# Altium PCB PCB_P1.5_150321.PcbDoc
Units mil, origin at the board's own origin, x right, y up, seen from the top; angles counter-clockwise.
Board outline 3081.38 x 1481.03 mil, 2 copper layers (Top Layer, Bottom Layer); 43 components, 38 nets, 197 pads, 12 vias.
Unrouted connection lines stored in the file: 1.
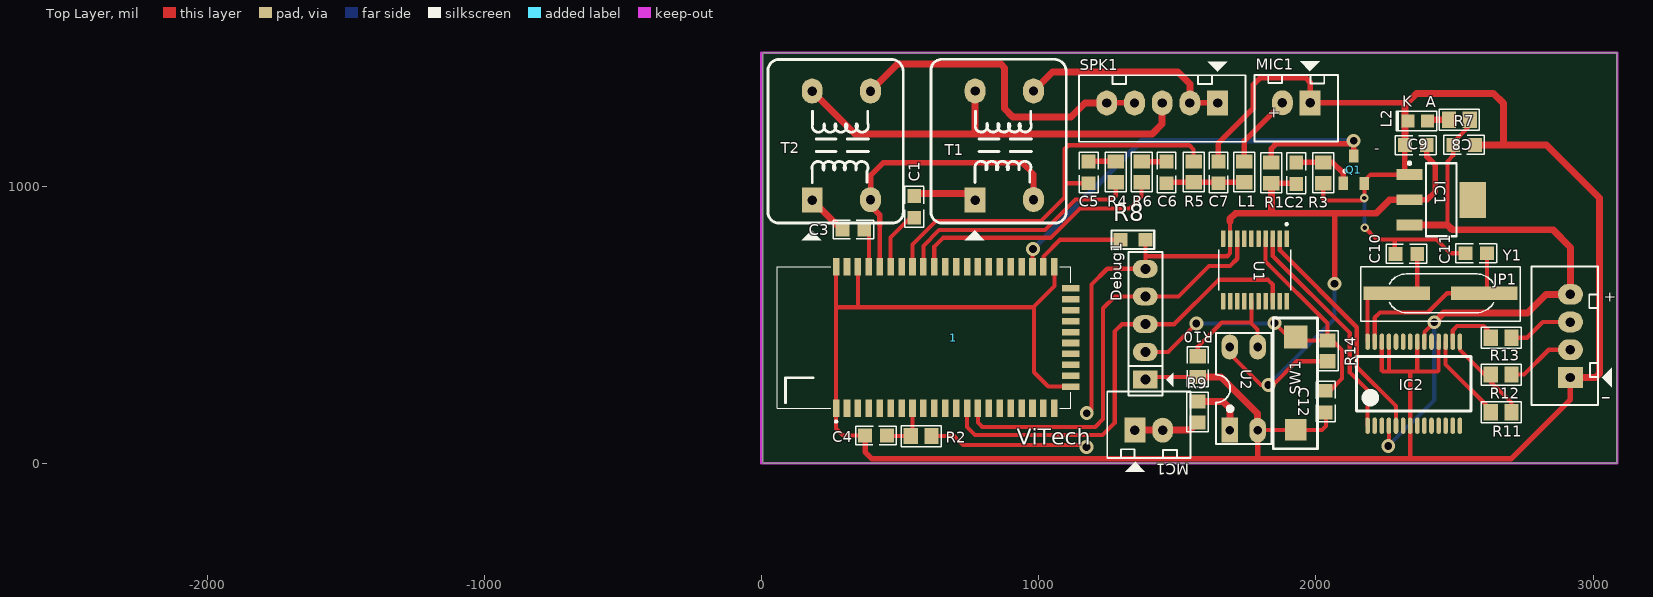
[diagram p0: Top Layer view]
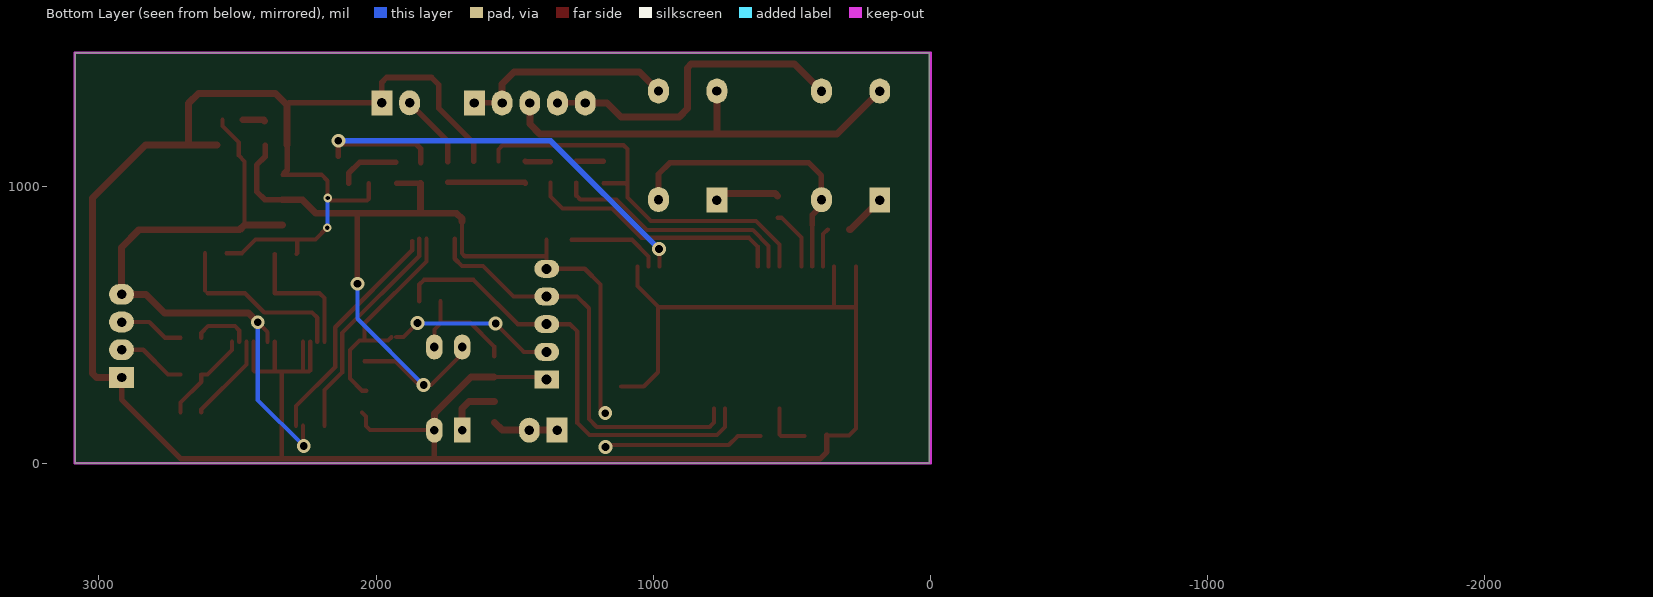
[diagram p1: Bottom Layer view, seen from below]
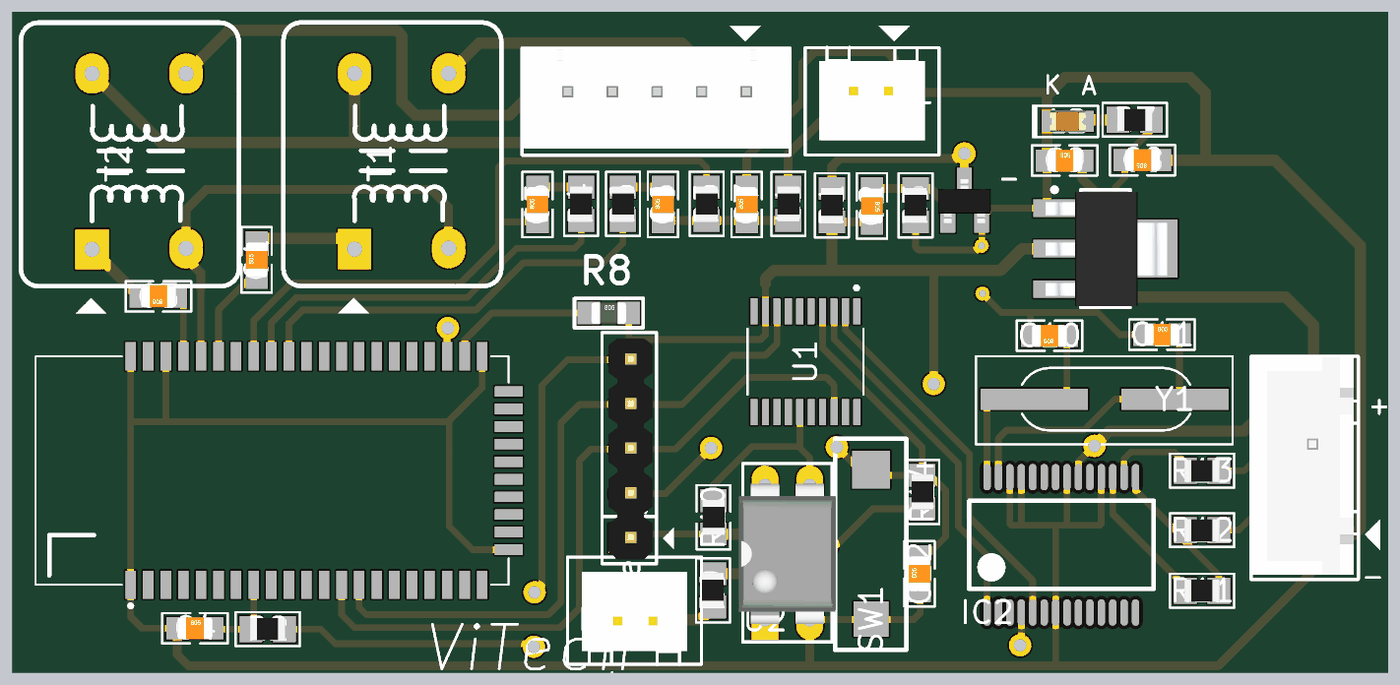
[diagram p2: 3D render of the assembled board from above, using the file's embedded part models]

## Layer stack, top to bottom
Top Solder: solder mask 0.4, Solder Resist, Dk 3.5
Top Layer: signal copper 1.4
Dielectric 1: dielectric 12.6, FR-4, Dk 4.8
Bottom Layer: signal copper 1.4
Bottom Solder: solder mask 0.4, Solder Resist, Dk 3.5

## Board outline
3.86,0.5 3085.24,0.5 3085.24,1481.53 3.86,1481.54

## Design rules (kind name [scope] priority, off if disabled: settings)
Clearance [All] p1: gap=1
PolygonConnect vias_connect [IsNamedPolygon('GND') vs Isvia] p1: connectstyle=Direct reliefconductorwidth=10 reliefentries=4 polygonreliefangle="90 Angle" airgapwidth=10
PolygonConnect Pad_connect [All] p2: connectstyle=Relief reliefconductorwidth=11 reliefentries=4 polygonreliefangle="90 Angle" airgapwidth=11
RoutingVias [InNet('GND_BT')] p1: holewidth=15.75 width=31.5 viastyle="Through Hole" minholewidth=15.75 minwidth=31.5 maxholewidth=15.75 maxwidth=31.5
SolderMaskExpansion [All] p1: expansion=4
Width [All] p1: maxlimit=25 minlimit=15 preferedwidth=20
30 further rules are at their usual default settings.

## Classes and differential pairs
net class Undefined: 3V3 CLK DAT GND_BT RX0 RX_PL

## Components (designator, comment, footprint, x,y, rotation, side; value= is the part's Value field where it differs from the comment)
1 "FSC-BT806" FSCBT806 601.61,443.82 r90 top
C1 "0.1µF" CAP_0805 551.1,925.55 r90 top
C2 "1uF" CAP_0805 1929.03,1046.48 r270 top
C3 "0.1µF" CAP_0805 331.14,843.74 r180 top
C4 "100nF" CAP_0805 412.95,100.32 r0 top
C5 "0.1µF" CAP_0805 1180.02,1049.75 r90 top
C6 "0.1µF" CAP_0805 1461.18,1049.75 r90 top
C7 "15pF" CAP_0805 1648.61,1049.75 r90 top
C8 "1uF" CAP_0805 2534.88,1148.94 r180 top
C9 "4.7uF" CAP_0805 2360.71,1148.07 r0 top
C10 "22pF" CAP_0805 2326.68,755.62 r180 top
C11 "22pF" CAP_0805 2578.73,758.04 r0 top
C12 "0.1uF" CAP_0805 2035.75,222.32 r90 top
Debug1 "JP5" JP5 1384.45,301.81 r90 top
IC1 "LM1117" SOT223-4N 2452.09,950.79 r0 top
IC2 "PL2303HX" PL2303 2186.81,135.59 r0 top
JP1 "" CON4 2918.36,309.61 r90 top
L1 "15nH" RES_0805 1741.75,1051.12 r90 top
L2 "" LED_0805 2367.68,1235.71 r0 top
MC1 "" CON2 1347.17,119.57 r0 top
MIC1 "JP2" CON2 1979.29,1300.71 r180 top
Q1 "SI2302" SOT23A 2136.14,1059.29 r0 top
R1 "10K" RES_0805 1839.32,1047.84 r90 top
R2 "10K" RES_0805 575.94,98.31 r180 top
R3 "10K" RES_0805 2026.75,1047.85 r270 top
R4 "1K" RES_0805 1277.73,1051.12 r270 top
R5 "2.2K" RES_0805 1558.89,1051.12 r90 top
R6 "1K" RES_0805 1371.45,1051.12 r270 top
R7 "1K" RES_0805 2517.55,1239.56 r0 top
R8 "100R" "RES_0805 - Dup" 1384.8,806.5 r0 top
R9 "100R" RES_0805 1572.99,185.08 r270 top
R10 "100R" RES_0805 1574.09,348.82 r90 top
R11 "1.5K" RES_0805 2668.39,184.29 r180 top
R12 "100R" RES_0805 2668.39,320.12 r0 top
R13 "100R" RES_0805 2668.39,453.07 r0 top
R14 "10K" RES_0805 2041.97,405.55 r90 top
SPK1 "JP5" CON5 1645.47,1300.08 r180 top
SW1 "" SW_342_SMD 1927.32,121.02 r270 top
T1 "T_Adio" T_Adito 827.56,1142.52 r90 top
T2 "T_Adio" T_Adito 239.57,1142.13 r90 top
U1 "N76E003AT20" SOP65P640X120-20N 1780.32,697.44 r270 top
U2 "PC817" DIP4/W0.3 1689.69,119.49 r0 top
Y1 "12MHz" XTAL_314_240X47_SMD 2607.63,613.39 r180 top

## Footprints (in the part's own frame and the unit in brackets; to place one, negate y for a bottom-side part, rotate by r counter-clockwise, add the part's x,y. Pads: shape width x height; smd on the part's side, far side on the other; paste and mask are expansions set on the pad)
CAP_0805 [mil] "Ceramic Capacitor"
  rect 50x50 smd mask+3: 1(-39.37,0) 2(39.37,0)
  silkscreen extent -73,-34 73,34, body extent -39,-25 39,25, height 31
CON2 [mil] "CON2"
  rect 75x90 hole 34: 1(0,0)
  oval 75x90 hole 34: 2(100,0)
  silkscreen extent -100,-150 200,140, body extent -68,-70 168,107, height 236
CON4 [mil] "B1205S"
  rect 75x90 hole 34: 1(0,0)
  oval 75x90 hole 34: 2(100,0) 3(200,0) 4(300,0)
  silkscreen extent -100,-150 400,140, body extent -90,-90 398,136, height 276
CON5 [mil] "CON5"
  rect 75x90 hole 34: 1(0,0)
  oval 75x90 hole 34: 2(100,0) 3(200,0) 4(300,0) 5(400,0)
  silkscreen extent -100,-150 500,140, body extent -101,-98 496,125, height 288
DIP4/W0.3 [mil] "4 PIN, W 300mil, Pin to pin 100mil"
  rect 60x90 hole 31: 1(0,0)
  oval 60x90 hole 31: 2(100,0) 3(100,300) 4(0,300)
  silkscreen extent -50,-50 150,350, body extent -59,-10 159,305, height 170
FSCBT806 [mm]
  rect 1.6x0.6 smd: 1(-6.25,8.45) 2(-6.25,7.45) 3(-6.25,6.45) 4(-6.25,5.45) 5(-6.25,4.45) 6(-6.25,3.45) 7(-6.25,2.45) 8(-6.25,1.45) 9(-6.25,0.45) 10(-6.25,-0.55) 11(-6.25,-1.55) 12(-6.25,-2.55) 13(-6.25,-3.55) 14(-6.25,-4.55) 15(-6.25,-5.55) 16(-6.25,-6.55) 17(-6.25,-7.55) 18(-6.25,-8.55) 19(-6.25,-9.55) 20(-6.25,-10.55) 21(-6.25,-11.55) 32(6.75,-11.55) 33(6.75,-10.55) 34(6.75,-9.55) 35(6.75,-8.55) 36(6.75,-7.55) 37(6.75,-6.55) 38(6.75,-5.55) 39(6.75,-4.55) 40(6.75,-3.55) 41(6.75,-2.55) 42(6.75,-1.55) 43(6.75,-0.55) 44(6.75,0.45) 45(6.75,1.45) 46(6.75,2.45) 47(6.75,3.45) 48(6.75,4.45) 49(6.75,5.45) 50(6.75,6.45) 51(6.75,7.45) 52(6.75,8.45)
  rect 0.6x1.6 smd: 22(-4.25,-13.05) 23(-3.25,-13.05) 24(-2.25,-13.05) 25(-1.25,-13.05) 26(-0.25,-13.05) 27(0.75,-13.05) 28(1.75,-13.05) 29(2.75,-13.05) 30(3.75,-13.05) 31(4.75,-13.05)
  silkscreen extent -7.55,-13.05 6.75,13.85, body extent -6.22,-13.08 6.73,13.84, height 0.25
JP5 [mil] "JP5"
  rect 65x90 hole 36: 1(0,0)
  oval 65x90 hole 36: 2(100,0) 3(200,0) 4(300,0) 5(400,0)
  silkscreen extent -57,-101 461,60, body extent -48,-53 448,45, height 323
LED_0805 [mm] "LED"
  rect 1.2x1.2 smd mask+0.076: A(0.889,0) K(-0.889,0)
  silkscreen extent -1.99,-0.89 1.73,0.89, body extent -1.01,-0.62 1.01,0.63, height 1.1
PL2303 [mil] "PL2303"
  oval 16.53x59.03 smd mask+7.9: 1(0,0) 2(25.6,0) 3(51.18,0) 4(76.78,0) 5(102.37,0) 6(127.97,0) 7(153.57,0) 8(179.15,0) 9(204.75,0) 10(230.35,0) 11(255.93,0) 12(281.53,0) 13(307.12,0) 14(332.7,0) 15(332.7,303.18) 16(307.12,303.18) 17(281.53,303.18) 18(255.93,303.18) 19(230.35,303.18) 20(204.75,303.18) 21(179.15,303.18) 22(153.57,303.18) 23(127.97,303.18) 24(102.37,303.18) 25(76.78,303.18) 26(51.18,303.18) 27(25.6,303.18) 28(0,303.18)
  silkscreen extent -40,53 373,250
RES_0805 [mm] "Resister"
  rect 1.3x1.5 smd mask+0.076: 1(0.95,0) 2(-0.95,0)
  silkscreen extent -1.83,-0.97 1.83,0.97, body extent -1,-0.63 1,0.62, height 0.5
"RES_0805 - Dup" [mil] "Resister"
  rect 50x50 smd: 1(0,0) 2(-90,0)
  silkscreen extent -122,-33 32,33, body extent -84,-25 -6,25, height 31
SOP65P640X120-20N [mm]
  rrect10% 1.48x0.41 smd: 1(-2.865,2.925) 2(-2.865,2.275) 3(-2.865,1.625) 4(-2.865,0.975) 5(-2.865,0.325) 6(-2.865,-0.325) 7(-2.865,-0.975) 8(-2.865,-1.625) 9(-2.865,-2.275) 10(-2.865,-2.925) 11(2.865,-2.925) 12(2.865,-2.275) 13(2.865,-1.625) 14(2.865,-0.975) 15(2.865,-0.325) 16(2.865,0.325) 17(2.865,0.975) 18(2.865,1.625) 19(2.865,2.275) 20(2.865,2.925)
  silkscreen extent -4.3,-3.3 1.87,3.3
SOT23A [mm] "SOT 23A"
  rect 0.85x1.2 smd: 1(-0.94,-1.245) 2(0.005,1.25) 3(0.985,-1.25)
  silkscreen extent -0.88,-0.25 -0.64,0, body extent -1.5,-1.3 1.5,1.2, height 1.06
SOT223-4N [mm] "SOT223, 4-Leads, Body 6.5x3.5mm, Pitch 2.3mm, Lead Span 7mm, IPC Medium Density"
  rect 2.4x1 smd: 1(-2.9,2.3) 2(-2.9,0) 3(-2.9,-2.3)
  rect 2.4x3.3 smd: 4(2.9,0)
  silkscreen extent -3.02,-3.35 1.4,3.47, body extent -3.39,-3.27 3.5,3.23, height 1.72
SW_342_SMD [mm] "CASE: SMD"
  rect 2x2 smd: 1(0,0)
  rect 2.15x2.15 smd: 2(-8.5,0)
  silkscreen extent -10.25,-2.06 1.75,2, body extent -7.17,-1.79 -1.17,1.71, height 2.4
T_Adito [mil]
  rect 90x75 hole 34: 1(-192.91,57.09)
  oval 90x75 hole 34: 2(-190.94,-153.54) 3(200.79,-153.54) 4(200.79,57.09)
  silkscreen extent -337,-272 315,217
XTAL_314_240X47_SMD [mm] "CASE: TH"
  rect 6.096x1.2 smd: 1(0,0) 2(8,0)
  silkscreen extent -3.29,-2.44 11.32,2.57, body extent -2.99,-2.27 10.9,2.41, height 3.05

## Part data
C1 C3 C5 C6 C7 C12: library part CAP_0.1uF-50V-5%-0805, "0.1µF ±5% 50V Ceramic Capacitor X7R 0805 (2012 Metric)"
C2 C8: library part CAP_1uF-50V-5%-0805, "1µF ±5% 50V Ceramic Capacitor X7R 0805 (2012 Metric)"
C4: library part CAP_1uF-50V-5%-0805, "100µF ±5% 50V Ceramic Capacitor X7R 0805 (2012 Metric)"
C9: library part CAP_1uF-50V-5%-0805, "4.7µF ±5% 50V Ceramic Capacitor X7R 0805 (2012 Metric)"
C10 C11: library part CAP_22pF-50V-5%-0805, "22pF ±5% 50V Ceramic Capacitor C0G, NP0 0805 (2012 Metric)"
IC1: "Available in 1.8V, 2.5V, 2.85V, 3.3V, 5V, and  Adjustable Versions"
IC2: "USB - RS232 Converter"
JP1: library part Con4, "Connector 4"
L1: library part RES_1K-0.125W-1%-0805, "Conductor 15nH"
L2: library part LED-RED_10mA-0805, "Red 621nm LED Indication - Discrete 2V 0805 (2012 Metric)"
MC1 MIC1: library part Con2, "Connector 2"
Q1: library part DV3
R1 R2 R3 R4 R6: library part RES_10K-0.125W-1%-0805_1, "10 kOhms ±1% 0.125W, 1/8W Chip Resistor 0805 (2012 Metric) Moisture Resistant Thick Film"
R5: library part RES_10K-0.125W-1%-0805_1, "2.2kOhms ±1% 0.125W, 1/8W Chip Resistor 0805 (2012 Metric) Moisture Resistant Thick Film"
R7: library part RES_10K-0.125W-1%-0805_1, "1 kOhms ±1% 0.125W, 1/8W Chip Resistor 0805 (2012 Metric) Moisture Resistant Thick Film"
R8: library part RES_100R, "Resistor 100R value Chip Resistor 0805 Moisture Resistant Thick Film"
R9 R10: library part RES_1K-0.125W-1%-0805, "1 kOhms ±1% 0.125W, 1/8W Chip Resistor 0805 (2012 Metric) Moisture Resistant Thick Film"
R11: library part RES_1.5K-0.125W-1%-0805, "1.5 kOhms ±1% 0.125W, 1/8W Chip Resistor 0805 (2012 Metric) Thick Film"
R12 R13: library part RES_0ohm-0.125W-1%-0805_1, "1000Ohms ±1% 0.125W, 1/8W Chip Resistor 0805 (2012 Metric) Moisture Resistant Thick Film"
R14: library part RES_10MOHM-0.125W-1%-0805, "10K ±1% 0.125W, 1/8W Chip Resistor 0805 (2012 Metric) Automotive AEC-Q200, High Voltage Thick Film"
SPK1: library part Con5, "Connector 5"
SW1: library part SW_KSR223GLFG-SMD, "Tactile Switch SPST-NO Top Actuated Surface Mount"
T1 T2: "Transformer Audio"
U1: "8051 N76 Microcontroller IC 8-Bit 16MHz 18KB _18K x 8_ FLASH 20-TSSOP"
U2: "Single Opto"
Y1: library part XTAL_8MHZ-LFXTAL030234, "Crystals 8MHz 22pF -20C 70C"

## Via types
v1: diameter 50, hole 28, Top Layer to Bottom Layer, 10 vias
v2: diameter 31.5, hole 15.75, Top Layer to Bottom Layer, 2 vias

## Nets (pads, with @x,y where several pads share a name; then routed paths per layer and width w, separated by ;. In a path a pad name is that pad's centre, name@x,y a point inside that pad or via, vN(x,y) a via of type N, cw(c..) or ccw(c..) an arc to the next point about the centre after c; other vN are vias at no path point)
3V3: C2.2 C9.2 Debug1.5 IC1.2 R1.2 R2.2 R8.1 R14.2 U1.9 U2.4 | length 4155.3
  Top Layer w15: R2.2 694.96,98.3 727.68,65.59 1171.97,65.59 v1(1171.97,58.94) ; v1@1183.58,190.91 v1(1173.46,180.79) 1173.46,178.03 1190.04,194.61 1190.04,644.65 1247.2,701.81 Debug1.5 ; Debug1.5@1384.8,702.17 1384.8,745.39 ; R8.1 1384.8,745.39 ; U2.4 1689.69,394.53 1801.69,282.52 v1(1828.5,282.52) 1845.24,282.52 1930.87,368.15 R14.2 ; 1690.75,872.68 U1.9 1690.75,757.64 1680.28,747.17 1386.57,747.17 1384.8,745.39
  Top Layer w20: R1.2 C2.2@1925.7,1010.44 ; v1(2067.4,647.56) 2067.4,898.39 2071.06,902.05 ; IC1.2 2401.77,950.79 2430.91,979.92 2430.91,1075.51 2400.08,1106.34 C9.2
  Top Layer w25: 1690.75,872.68 1690.75,882.91 1709.88,902.05 2071.06,902.05 2217.09,902.05 2265.83,950.79 IC1.2 ; 1839.32,910 R1.2
  Bottom Layer w15: v1(1828.5,282.52) 2067.4,521.42 v1(2067.4,647.56)
3V3_PL2303: IC2.17 R11.1 | length 321.9
  Top Layer w15: IC2.17 2468.34,356.26 2630.99,193.62 R11.1
BL_3V3: 1.33 R8.2 | length 339.7
  Top Layer w15: 1.33 1016.97,746.57 1076.89,806.5 R8.2
CLK: 1.13 Debug1.3 U1.18 | length 1674.7
  Top Layer w15: 1.13 741.38,130.59 770.35,101.61 1230.16,101.61 1274.09,145.55 1274.09,475.51 1300.39,501.81 Debug1.3 1488.86,501.81 1649.09,662.05 1826.81,662.05 1844.29,644.57 U1.18
DAT: 1.14 Debug1.4 U1.8 | length 1551
  Top Layer w15: 1.14 780.75,146.73 796.46,131.02 1204.02,131.02 1232.48,159.49 1232.48,559.49 1274.8,601.81 Debug1.4 1504.17,601.81 1614.29,711.93 1690.16,711.93 1716.34,738.11 U1.8
DC_CHECK: R10.1 U1.15 U2.3 | length 438.5
  Top Layer w15: R10.1 1574.09,421.26 1660.28,507.44 1767.52,507.44 ; U1.15 1767.52,504.65 1789.69,482.48 U2.3
GND_BT: 1.1 1.22 1.32 1.50 1.52 C4.1 C7.2 C8.1 C9.1 C10.2 C11.1 C12.1 Debug1.1 IC1.1 IC2.7 IC2.18 IC2.21 IC2.25 IC2.26 JP1.1 L2.K MIC1.1 Q1.3 R3.1 R10.2 SW1.1 U2.2 | length 10829.6
  Top Layer w15: 1.52 268.94,560.47 ; 1.50 347.68,562.76 ; C4.1 293.93,100.32 268.94,125.32 1.1 268.94,560.47 ; 982.36,562.76 982.36,328.46 1034.33,276.5 1.22 ; 1.32 1056.34,639.49 979.61,562.76 347.68,562.76 ; Debug1.1 1394.06,311.42 R10.2 ; U2.2 2022.24,119.49 2037.17,134.41 2037.17,169.38 C12.1@2050.74,182.96 ; R3.1 2026.76,954.31 2033.31,947.76 2165.55,947.76 v2(2174.94,957.15) Q1.3 2174.94,1019.55 2196.73,1041.34 IC1.1 IC1.1@2330.79,1048.46 ; v2(2176.46,850.2) 2219.21,807.44 2284.49,807.44 ; IC2.26 2237.99,334.72 2241.67,331.05 2264.57,331.05 ; IC2.25 2263.59,332.02 2264.57,331.05 ; C10.2 2284.49,758.43 2284.49,807.6 2434.92,807.6 2484.47,758.05 C11.1 ; 2336.97,18.28 2340.38,21.69 IC2.7 2340.38,324.98 ; IC2.21 2365.96,333.43 2363.58,331.05 ; IC2.18 2442.74,334.89 2438.9,331.05 2363.58,331.05 ; 268.94,560.47 271.22,562.76 347.68,562.76 ; 2264.57,331.05 2363.58,331.05
  Top Layer w20: C4.1 373.59,41.22 398.8,16 1789.69,16 ; C7.2 1648.61,1155.7 1774.49,1281.57 1774.49,1366.22 1800.28,1392.01 1962.24,1392.01 1979.29,1374.96 MIC1.1 2313.86,1300.71 2321.34,1293.23 ; U2.2 1789.69,16 ; C9.1 2321.34,1057.91 IC1.1@2330.79,1048.46 ; JP1.1 2918.36,230.4 2703.95,16 1789.69,16
  Top Layer w25: R10.2 1657.6,311.42 1789.69,179.33 U2.2 ; C9.1 2321.34,1293.23 2362.91,1334.8 2640.55,1334.8 2676.3,1299.06 2676.3,1148.93 ; C8.1 2831.54,1148.93 3022.91,957.56 3022.91,323.9 3008.63,309.61 JP1.1
  Bottom Layer w15: v2(2174.94,957.15) 2174.94,851.71 v2(2176.46,850.2)
Net1_8: 1.8 C4.2 R2.1 | length 177.7
  Top Layer w15: C4.2@454.34,98.3 R2.1 ; R2.1@544.53,104.29 1.8
Net1_34: 1.34 Q1.2 R1.1 | length 1792.5
  Top Layer w15: 1.34 977.6,770.83 v1(979.53,772.76)
  Top Layer w20: R1.1 1839.32,1135.34 1856.81,1152.83 v1@2136.34,1152.83 ; Q1.2 v1@2136.34,1152.83 ; v1(2136.34,1163.81) v1@2136.34,1152.83
  Bottom Layer w20: v1(979.53,772.76) 1370.59,1163.81 v1(2136.34,1163.81)
Net1_43: 1.43 R6.1 | length 946.9
  Top Layer w15: 1.43 623.27,782.68 654.13,813.54 1043.11,813.54 1148.74,919.17 1328.03,919.17 1371.45,962.6 R6.1
Net1_44: 1.44 R4.1 | length 891.9
  Top Layer w15: 1.44 583.9,784.45 640.91,841.46 1023.27,841.46 1133.23,951.42 1263.62,951.42 1277.74,965.53 R4.1
Net1_45: 1.45 C5.1 R5.1 | length 1483.5
  Top Layer w15: 1.45 544.53,789.65 629.41,874.53 1008.9,874.53 1093.35,958.98 1093.35,1133.7 1107.17,1147.52 1543.43,1147.52 1558.89,1132.05 R5.1 ; 1094.29,1003.62 1101.05,1010.38 C5.1
Net1_47: 1.47 C1.1 | length 219.9
  Top Layer w15: 1.47 465.79,814.41 537.56,886.18 C1.1
Net1_48: 1.48 T1.2 T2.2 | length 1057.8
  Top Layer w15: 1.48 426.42,860.98
  Top Layer w20: 426.42,860.98 426.42,895.94 393.11,929.25 T2.2 393.11,1038.35 438.46,1083.7 940.67,1083.7 981.1,1043.27 T1.2
Net1_49: 1.49 C3.1 | length 141
  Top Layer w15: C3.1 387.05,827.2 1.49
NetC1_2: C1.2 T1.1 | length 233
  Top Layer w25: C1.2 559.91,973.74 746.34,973.74 T1.1
NetC2_1: C2.1 Q1.1 R3.2 | length 222.6
  Top Layer w20: C2.1 2059.74,1085.85 2099.14,1046.45 Q1.1
NetC3_2: C3.2 T2.1 | length 153
  Top Layer w25: T2.1 287.96,843.74 C3.2
NetC5_2: C5.2 R4.2 | length 98
  Top Layer w20: C5.2 1277.14,1089.12 R4.2
NetC6_1: C6.1 C7.1 L1.2 R5.2 | length 282
  Top Layer w20: C6.1 1464.51,1013.72 R5.2 L1.2
NetC6_2: C6.2 R6.2 | length 90
  Top Layer w20: R6.2 1460.57,1088.52 C6.2
NetC10_1: C10.1 IC2.28 Y1.2 | length 485.9
  Top Layer w15: IC2.28 2186.81,595.94 2204.26,613.39 Y1.2 2366.04,613.39 C10.1
NetC11_2: C11.2 IC2.27 Y1.1 | length 652.4
  Top Layer w15: IC2.27 2212.41,525.29 2231.34,544.21 2403.82,544.21 2473,613.39 Y1.1 ; Y1.1@2618.11,623.87 C11.2
NetIC2_15: IC2.15 R11.2 R12.2 | length 345.2
  Top Layer w15: IC2.15 2519.51,408.52 2607.91,320.12 R12.2 2630.99,294.01 2705.79,219.21 R11.2
NetIC2_16: IC2.16 R13.2 | length 211.9
  Top Layer w15: IC2.16 2493.93,479.64 2509.53,495.24 2606.02,495.24 2630.99,470.27 R13.2
NetJP1_2: JP1.2 R12.1 | length 249.6
  Top Layer w15: R12.1 2750.87,320.12 2840.36,409.61 JP1.2
NetJP1_3: JP1.3 R13.1 | length 236
  Top Layer w15: R13.1 2762.13,453.07 2818.67,509.61 JP1.3
NetL1_1: L1.1 MIC1.2 | length 269.2
  Top Layer w20: L1.1 1741.75,1163.17 MIC1.2
NetL2_A: L2.A R7.2 | length 79.1
  Top Layer w25: L2.A 2406.54,1239.57 R7.2
NetMC1_1: MC1.1 MC1.2 R9.1 | length 237.5
  Top Layer w25: MC1.1 MC1.2 1544.89,119.57 R9.1
NetR9_2: R9.2 U2.1 | length 205.1
  Top Layer w25: R9.2 1664.77,222.48 1689.69,197.56 U2.1
NetSPK1_1: SPK1.1 SPK1.2 T1.3 | length 778.9
  Top Layer w20: SPK1.2 SPK1.1
  Top Layer w25: T1.3 1049.13,1411.34 1502.99,1411.34 1545.47,1368.86 SPK1.2
NetSPK1_3: SPK1.3 T1.4 T2.4 | length 1573
  Top Layer w25: T2.4 337.13,1188.27 770.47,1188.27 ; T1.4 770.47,1188.27 ; SPK1.3 1445.47,1224.02 1409.72,1188.27 770.47,1188.27
NetSPK1_4: SPK1.4 SPK1.5 T2.3 | length 1178.7
  Top Layer w20: SPK1.5 SPK1.4
  Top Layer w25: T2.3 490.43,1440.24 863.19,1440.24 876.57,1426.85 876.57,1279.53 906.3,1249.8 1116.65,1249.8 1166.93,1300.08 SPK1.5
NRST: C12.2 Debug1.2 R14.1 SW1.2 U1.4 | length 1415.7
  Top Layer w15: Debug1.2 1467.2,401.81 1555.16,489.76 1555.59,489.76 1568.74,502.91 v1(1568.74,504.13) ; U1.4 1818.7,728.39 2041.97,505.12 R14.1 ; v1(1850.43,506.18) 1900.94,455.67 SW1.2 ; SW1.2@1944.84,454.76 1956.65,442.96 R14.1 ; C12.2 2050.44,261.7 2094.33,305.59 2094.33,408.31 2059.68,442.96 R14.1
  Bottom Layer w15: v1(1568.74,504.13) 1848.39,504.13 v1(1850.43,506.18)
RX0: IC2.1 U1.3 | length 816.5
  Top Layer w15: U1.3 1844.29,747.99 2122.48,469.8 2122.48,328.15 2186.81,263.82 IC2.1
RX_PL: IC2.5 U1.2 | length 840
  Top Layer w15: U1.2@1869.88,801.89 1869.88,768.66 2147.6,490.94 2147.6,347.95 2289.18,206.37 IC2.5
VCC: C8.2 IC1.3 IC2.4 IC2.20 JP1.4 R7.1 | length 2404.4
  Top Layer w15: v1(2260.94,62.05) 2263.59,64.7 IC2.4 ; IC2.20 2391.56,473.06 v1(2427.38,508.88) ; 2474.53,860.24 2474.53,1089.02 2495.51,1110 C8.2 2495.51,1157.95 2554.96,1217.4 R7.1
  Top Layer w25: IC1.3 2474.53,860.24 2492.09,842.68 2855.04,842.68 2918.36,779.36 JP1.4 2830.4,609.61 2762.87,542.09 2460.59,542.09 v1(2427.38,508.88)
  Bottom Layer w15: v1(2260.94,62.05) 2427.38,228.48 v1(2427.38,508.88)
pads on no net: 1.2 1.3 1.4 1.5 1.6 1.7 1.9 1.10 1.11 1.12 1.15 1.16 1.17 1.18 1.19 1.20 1.21 1.23 1.24 1.25 1.26 1.27 1.28 1.29 1.30 1.31 1.35 1.36 1.37 1.38 1.39 1.40 1.41 1.42 1.46 1.51 IC1.4 IC2.2 IC2.3 IC2.6 IC2.8 IC2.9 IC2.10 IC2.11 IC2.12 IC2.13 IC2.14 IC2.19 IC2.22 IC2.23 IC2.24 U1.1 U1.5 U1.6 U1.7 U1.10 U1.11 U1.12 U1.13 U1.14 U1.16 U1.17 U1.19 U1.20

## Keep-outs
Keep-Out Layer:
  lines w10: 0,0 3087.72,0 3087.72,1481.5 0,1481.5 0,0

## Other copper
Top Layer:
  pour cut-out: -731.31,1186.33 -731.31,827.42 -1277.61,827.42 -1277.61,-162.3 -2187.68,-162.3 -2187.68,-298.33 -2478.47,-298.33 -2478.47,1182.33

## Silkscreen, mask and mechanical layers (free items; w line width, h text height)
Top Overlay:
  text "+" at 1826.73,1247.09 h39.37
  text "-" at 2210,1118.62 h39.37
  text "+" at 3038.94,582.17 h39.37
  text "_" at 3034.17,244.76 h39.37
  text "ViTech" at 921.5,46.54 h100

## Text inside footprints (layer, text, board x,y; h text height)
L2: Top Overlay "A" at 2396.42,1285.32 h39.37; Top Overlay "K" at 2311.38,1286.89 h39.37